# Altium PCB PCB_TEST.PcbDoc (part 1 of 6)
Units mil, origin at the board's own origin, x right, y up, seen from the top; angles counter-clockwise.
Board outline 6000 x 4000 mil, 2 copper layers (Top Layer, Bottom Layer); 1506 components, 800 nets, 4143 pads, 6 vias.
Unrouted connection lines stored in the file: 2993.
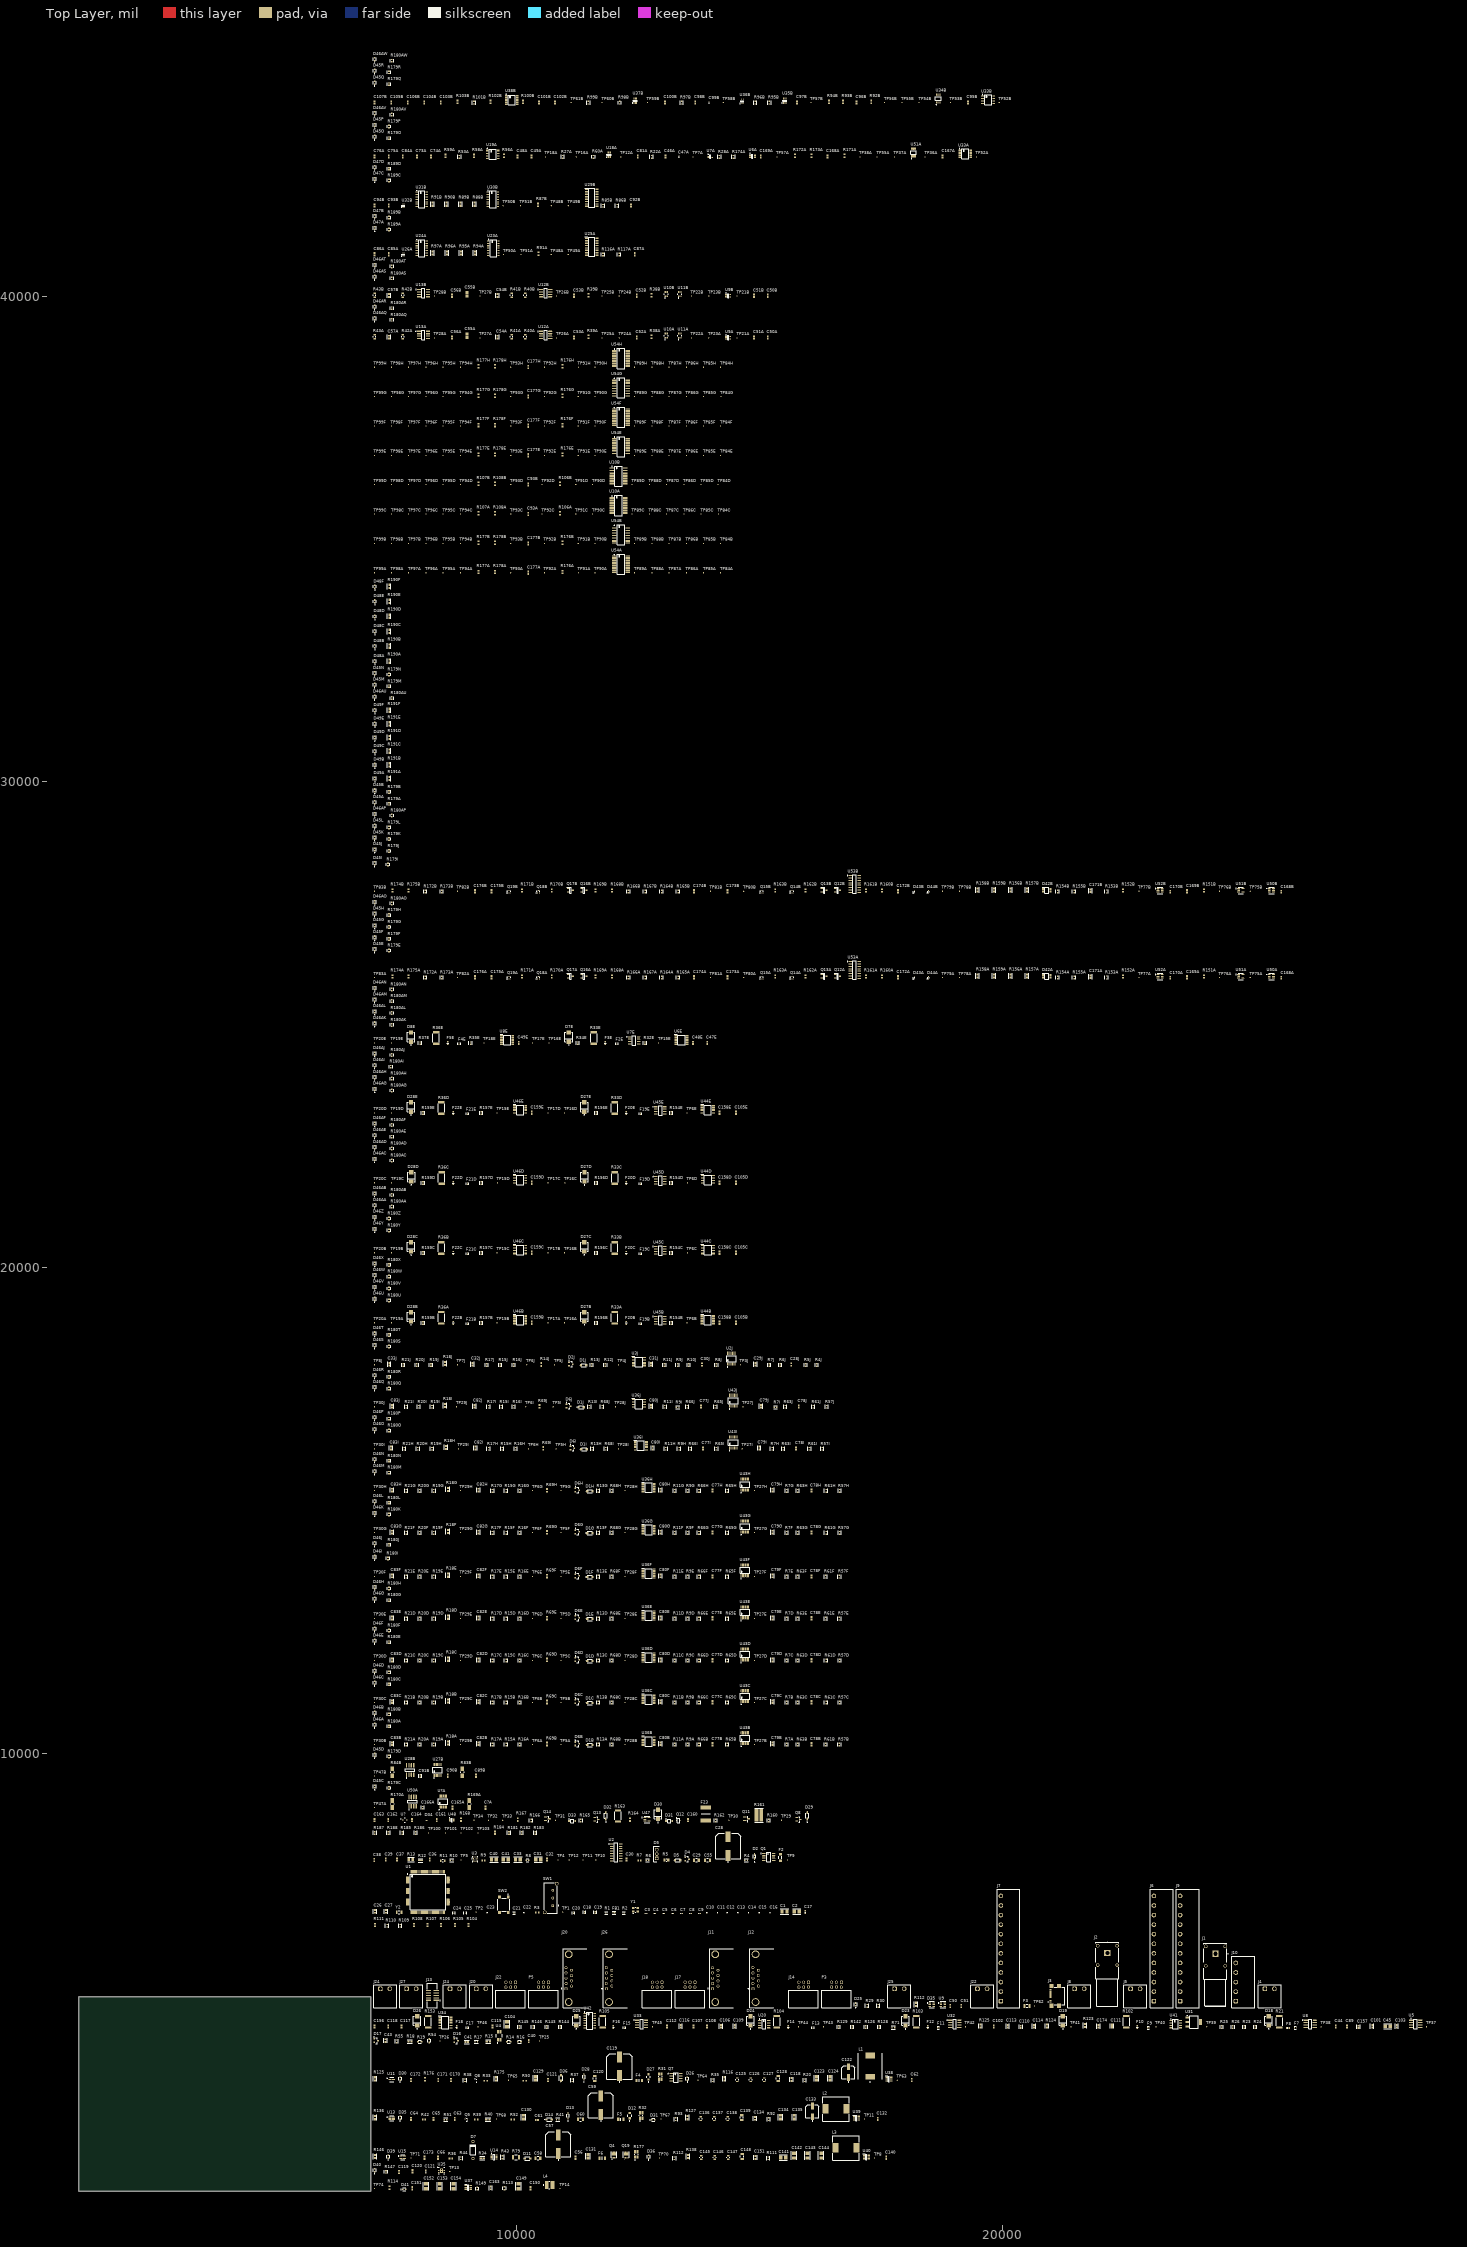
[diagram p0: Top Layer view]
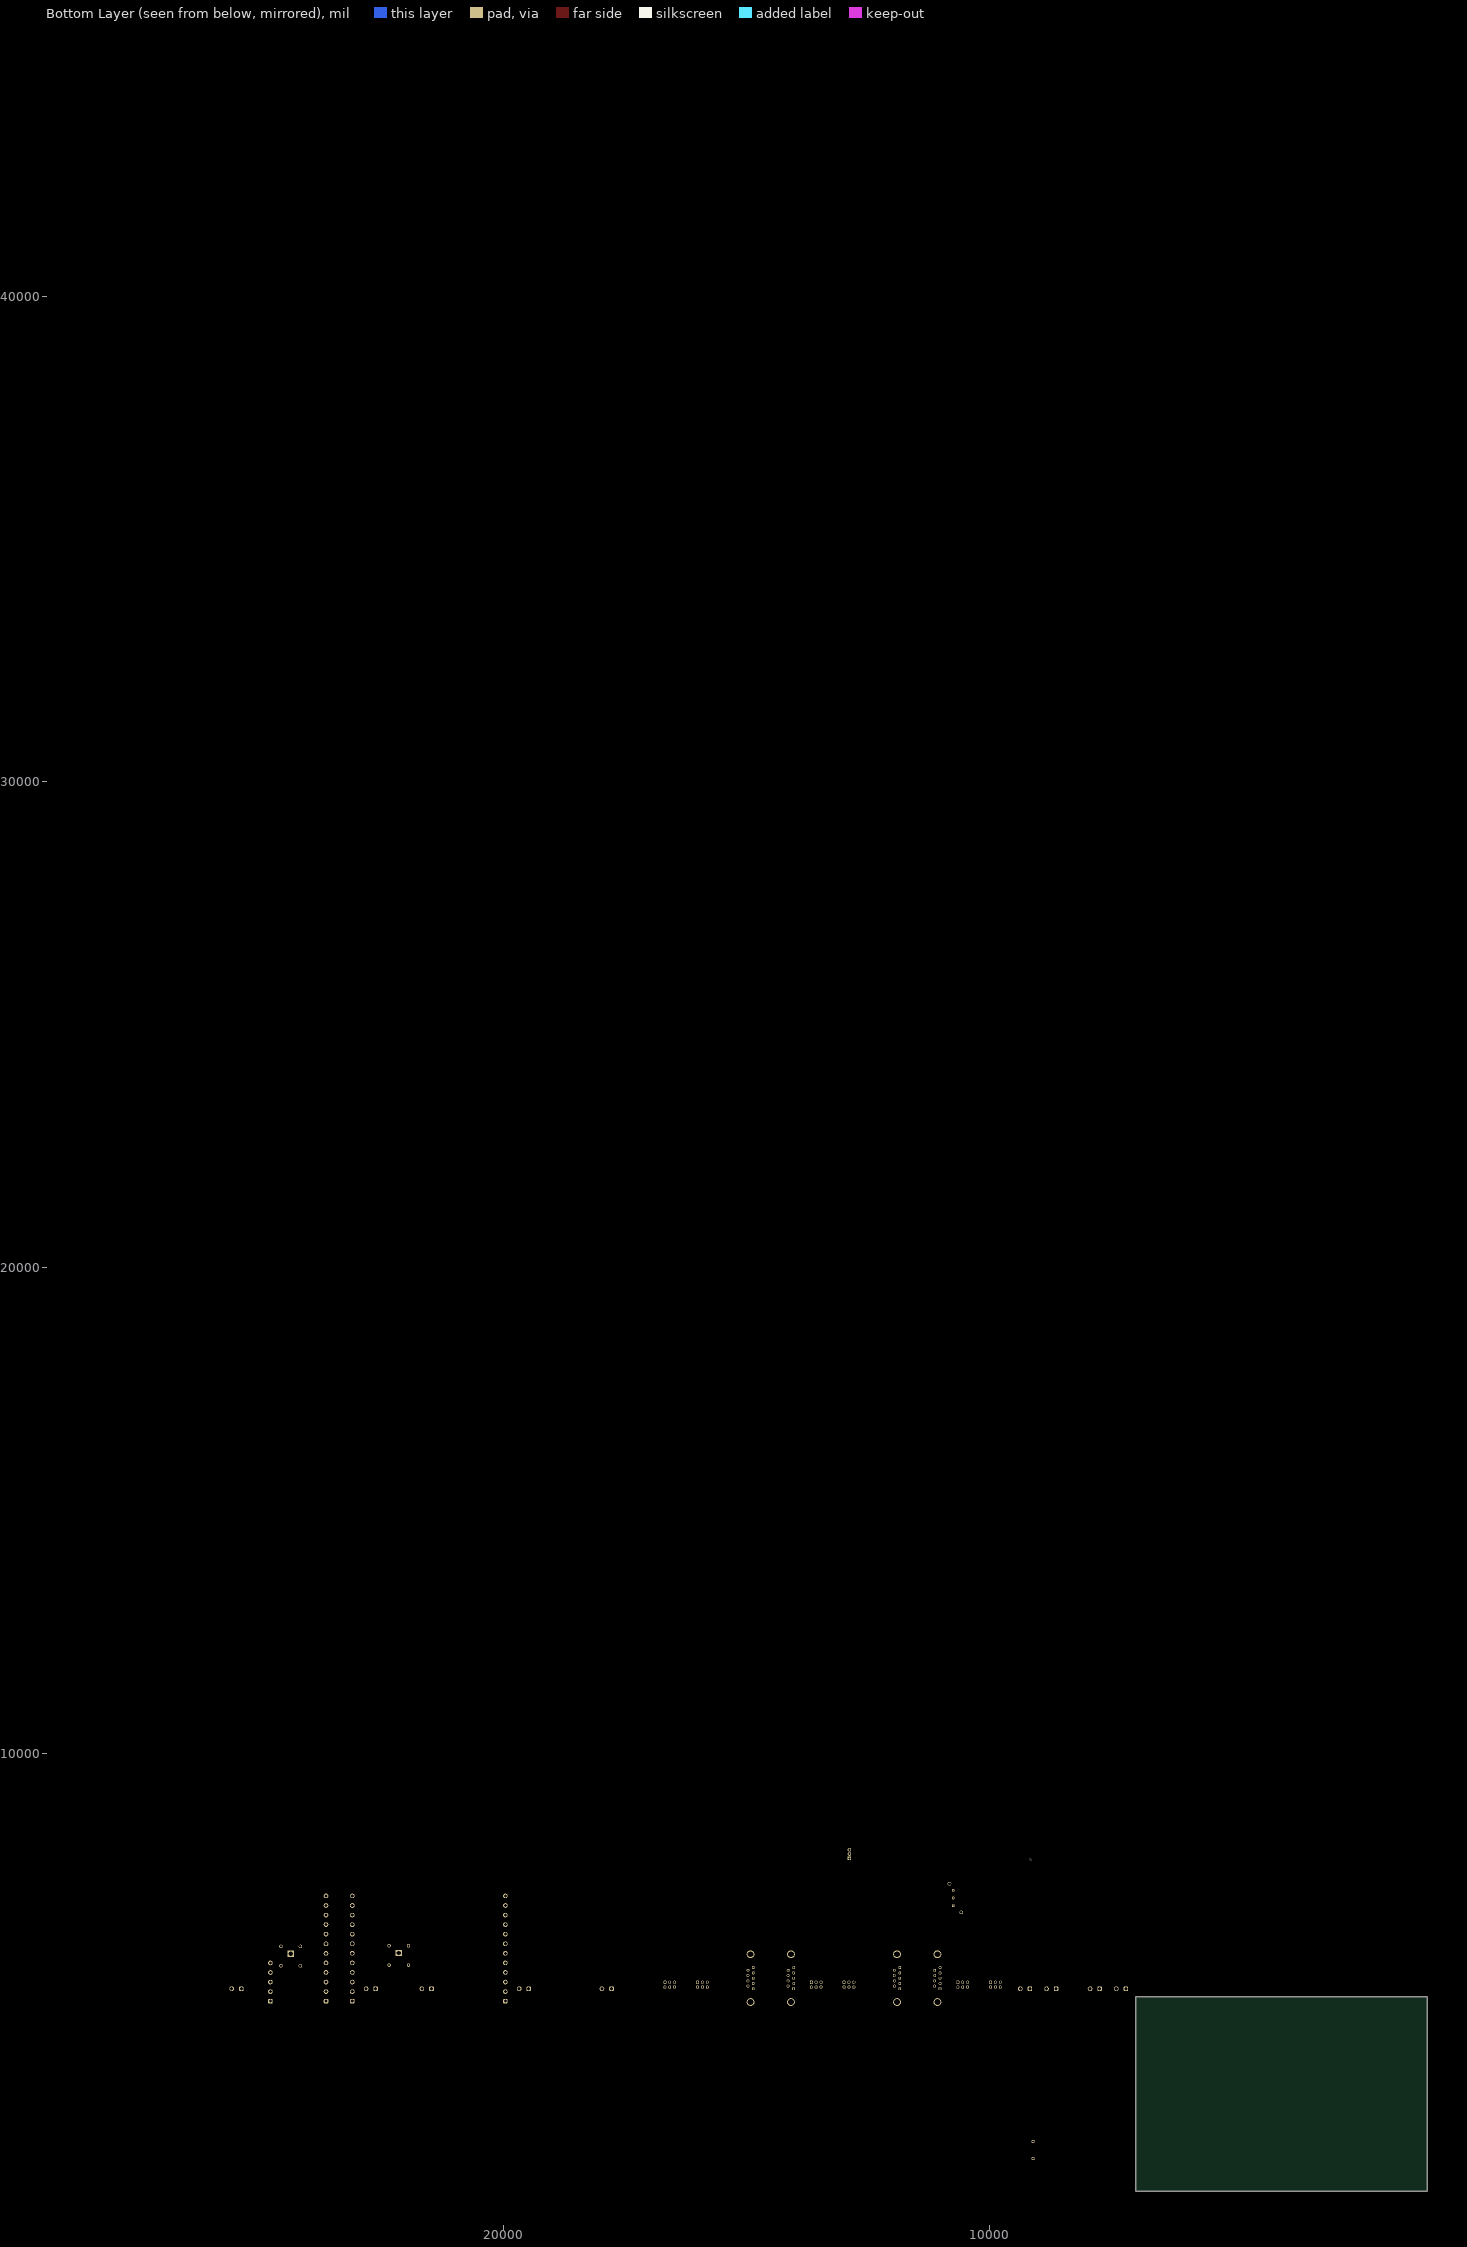
[diagram p1: Bottom Layer view, seen from below]

## Layer stack, top to bottom
Top Solder: solder mask 0.4, Solder Resist, Dk 3.5
Top Layer: signal copper 1.4
Dielectric 1: dielectric 12.6, FR-4, Dk 4.8
Bottom Layer: signal copper 1.4
Bottom Solder: solder mask 0.4, Solder Resist, Dk 3.5

## Board outline
1000,1000 7000,1000 7000,5000 1000,5000

## Design rules (kind name [scope] priority, off if disabled: settings)
Clearance [All] p1: gap=10 ignorepadtopadclearanceinfootprint=FALSE
DiffPairsRouting [All] p1: maxlimit=10 minlimit=10 mostfreqgap=10 toplayer_minwidth=15 toplayer_maxwidth=15 toplayer_prefwidth=15 bottomlayer_minwidth=15 bottomlayer_maxwidth=15 bottomlayer_prefwidth=15 maxuncoupledlength=500
PolygonConnect [All] p1: connectstyle=Relief reliefconductorwidth=10 reliefentries=4 polygonreliefangle="90 Angle" airgapwidth=10
RoutingVias [All] p1: holewidth=28 width=50 viastyle="Through Hole" minholewidth=28 minwidth=50 maxholewidth=28 maxwidth=50
SolderMaskExpansion [All] p1: expansion=4 istentingtop=FALSE
SupplyNets "Schematic Supply Nets_6" [InNet('12V_REGULATED')] p1: voltage=0.000
SupplyNets "Schematic Supply Nets_5" [InNet('AGND')] p2: voltage=0.000
SupplyNets "Schematic Supply Nets_4" [InNet('24V_REGULATED')] p3: voltage=0.000
SupplyNets "Schematic Supply Nets_3" [InNet('GND')] p4: voltage=0.000
SupplyNets "Schematic Supply Nets_2" [InNet('3V3_REGULATED')] p5: voltage=0.000
SupplyNets "Schematic Supply Nets_1" [InNet('VDD_REGULATED')] p6: voltage=0.000
SupplyNets "Schematic Supply Nets" [InNet('5V')] p7: voltage=0.000
Width [All] p1: maxlimit=10 minlimit=10 preferedwidth=10
29 further rules are at their usual default settings.

## Classes and differential pairs
channel class UART: UART_CH1 UART_CH2
channel class SPI: SPI_CH1 SPI_CH2
channel class PWM_Input: PWM_CAPTURE_CH1 PWM_CAPTURE_CH2
channel class Output_Expander_IC: Output_Expander_IC_COM_CTL_0 Output_Expander_IC_COM_CTL_1 Output_Expander_IC_DI_S0 Output_Expander_IC_DI_S1 Output_Expander_IC_DO_A0 Output_Expander_IC_DO_A1 Output_Expander_IC_PMW_POWER Output_Expander_IC_SPARE
channel class LED_RED_Direct_BRIGHT: LED_Red_0 LED_Red_1 LED_Red_2 LED_Red_3 LED_Red_4 LED_Red_5
channel class LED_Orange_Direct: LED_DO_A_VSEL_A01 LED_DO_A_VSEL_A02 LED_DO_A_VSEL_A03 LED_DO_A_VSEL_A04 LED_DO_A_VSEL_A05 LED_DO_A_VSEL_A11 LED_DO_A_VSEL_A12 LED_DO_A_VSEL_A13 LED_DO_A_VSEL_A14 LED_DO_A_VSEL_A15 LED_DO_B_VSEL_A01 LED_DO_B_VSEL_A02 LED_DO_B_VSEL_A03 LED_DO_B_VSEL_A04 LED_DO_B_VSEL_A05 LED_DO_B_VSEL_A11 LED_DO_B_VSEL_A12 LED_DO_B_VSEL_A13 LED_DO_B_VSEL_A14 LED_DO_B_VSEL_A15 LED_I2C_V_SEL1 LED_I2C_V_SEL2 LED_LV_VSEL LED_PWM_MODE_01 LED_PWM_MODE_02 LED_PWM_MODE_11 LED_PWM_MODE_12 LED_UART_MODE11 LED_UART_MODE12 LED_VSEL_S01 LED_VSEL_S02 LED_VSEL_S03 LED_VSEL_S04 LED_VSEL_S05 LED_VSEL_S06 LED_VSEL_S07 LED_VSEL_S08 LED_VSEL_S09 LED_VSEL_S010 LED_VSEL_S11 LED_VSEL_S12 LED_VSEL_S13 LED_VSEL_S14 LED_VSEL_S15 LED_VSEL_S16 LED_VSEL_S17 LED_VSEL_S18 LED_VSEL_S19 LED_VSEL_S110
channel class LED_Green_Direct_ActiveLow: LED_SPI_MASTER_EN1 LED_SPI_MASTER_EN2 LED_SPI_SLAVE_EN1 LED_SPI_SLAVE_EN2
channel class Led_Green_Direct: LED_1k_SEL1 LED_1k_SEL2 LED_2K2_SEL1 LED_2K2_SEL2 LED_4K7_SEL1 LED_4K7_SEL2 LED_10K_SEL1 LED_10K_SEL2 LED_AO_EN1 LED_AO_EN2 LED_CAN_TERM_EN1 LED_CAN_TERM_EN2 LED_PWM_GEN_12V_EN LED_PWM_GEN_24V_EN LED_RS232_EN1 LED_RS232_EN2 LED_TTL_EN1 LED_TTL_EN2
channel class LED_Blue_Direct_BRIGHT: LED_Blue_0 LED_Blue_1 LED_Blue_2 LED_Blue_3 LED_Blue_4 LED_Blue_5
channel class I2C: I2C_CH1 I2C_CH2
channel class Digital_Output: Digital_Output_CH1 Digital_Output_CH2 Digital_Output_CH3 Digital_Output_CH4 Digital_Output_CH5
channel class Digital_Input: Digital_Input_CH1 Digital_Input_CH2 Digital_Input_CH3 Digital_Input_CH4 Digital_Input_CH5 Digital_Input_CH6 Digital_Input_CH7 Digital_Input_CH8 Digital_Input_CH9 Digital_Input_CH10
channel class CAN: CAN_CH1 CAN_CH2
net class DOUT[0..9]: DOUT0 DOUT1 DOUT2 DOUT3 DOUT4 DOUT5 DOUT6 DOUT7 DOUT8 DOUT9
net class DO_B_MCU_EN_N[0..4]: DO_B_MCU_EN_N0 DO_B_MCU_EN_N1 DO_B_MCU_EN_N2 DO_B_MCU_EN_N3 DO_B_MCU_EN_N4
net class DO_B_DUT[0..4]: DO_B_DUT0 DO_B_DUT1 DO_B_DUT2 DO_B_DUT3 DO_B_DUT4
net class DO_A_MCU_EN_N[0..4]: DO_A_MCU_EN_N0 DO_A_MCU_EN_N1 DO_A_MCU_EN_N2 DO_A_MCU_EN_N3 DO_A_MCU_EN_N4
net class DO_A_DUT[0..4]: DO_A_DUT0 DO_A_DUT1 DO_A_DUT2 DO_A_DUT3 DO_A_DUT4
net class DO_A1_[0..9]: DO_A1_0 DO_A1_1 DO_A1_2 DO_A1_3 DO_A1_4 DO_A1_5 DO_A1_6 DO_A1_7 DO_A1_8 DO_A1_9
net class DO_A0_[0..9]: DO_A0_0 DO_A0_1 DO_A0_2 DO_A0_3 DO_A0_4 DO_A0_5 DO_A0_6 DO_A0_7 DO_A0_8 DO_A0_9
net class DI_S1_[0..9]: DI_S1_0 DI_S1_1 DI_S1_2 DI_S1_3 DI_S1_4 DI_S1_5 DI_S1_6 DI_S1_7 DI_S1_8 DI_S1_9
net class DI_S0_[0..9]: DI_S0_0 DI_S0_1 DI_S0_2 DI_S0_3 DI_S0_4 DI_S0_5 DI_S0_6 DI_S0_7 DI_S0_8 DI_S0_9
net class DI_MCU_OUT[0..9]: DI_MCU_OUT0 DI_MCU_OUT1 DI_MCU_OUT2 DI_MCU_OUT3 DI_MCU_OUT4 DI_MCU_OUT5 DI_MCU_OUT6 DI_MCU_OUT7 DI_MCU_OUT8 DI_MCU_OUT9
net class DI_DUT_IN[0..9]: DIN0 DIN1 DIN2 DIN3 DIN4 DIN5 DIN6 DIN7 DIN8 DIN9
net class AOUT[0..5]: AOUT0 AOUT1 AOUT2 AOUT3 AOUT4 AOUT5
component class UART_CH2: C95B C96B C97B C98B C99B C100B C101B C102B C103B C104B C105B C106B C107B R92B R93B R94B R95B R96B R97B R98B R99B R100B R101B R102B R103B TP52B TP53B TP54B TP55B TP56B TP57B TP58B TP59B TP60B TP61B U33B U34B U35B U36B U37B U38B
component class UART_CH1: C46A C47A C48A C49A C73A C74A C75A C76A C81A C84A C167A C168A C169A R22A R27A R28A R53A R56A R58A R59A R60A R171A R172A R173A R174A TP7A TP12A TP16A TP18A TP36A TP37A TP38A TP52A TP55A TP57A U6A U7A U18A U19A U33A U51A
component class SPI_CH2: C92B C93B C94B R85B R86B R87B R88B R89B R90B R91B TP48B TP49B TP50B TP51B U29B U30B U31B U32B
component class SPI_CH1: C85A C86A C87A R91A R94A R95A R96A R97A R116A R117A TP48A TP49A TP50A TP51A U23A U24A U25A U26A
component class PWM_GENERATION: C160 C161 C162 C163 C164 D29 D30 D31 D32 D33 D34 F23 Q8 Q11 Q12 Q13 Q14 R160 R161 R162 R163 R164 R165 R166 R167 R168 TP29 TP30 TP31 TP32 TP33 TP34 U47 U48 U?
component class PWM_CAPTURE_VREF: R181 R182 R183 R184 R185 R186 R187 R188 TP100 TP101 TP102 TP103
component class PWM_CAPTURE_CH2: C50B C51B C52B C53B C54B C55B C56B C57B R38B R39B R40B R41B R42B R43B TP21B TP22B TP23B TP24B TP25B TP26B TP27B TP28B U9B U10B U11B U12B U13B
component class PWM_CAPTURE_CH1: C50A C51A C52A C53A C54A C55A C56A C57A R38A R39A R40A R41A R42A R43A TP21A TP22A TP23A TP24A TP25A TP26A TP27A TP28A U9A U10A U11A U12A U13A
component class Power: C28 C29 C30 C31 C32 C33 C36 C37 C38 C39 C40 C41 C55 D2 D4 D5 F2 Q1 R4 R5 R6 R7 R8 R9 R10 R11 R12 R13 TP4 TP5 TP9 TP10 TP11 TP12 U2 U3
component class Output_Expander_IC_SPARE: C177H R176H R177H R178H TP84H TP85H TP86H TP87H TP88H TP89H TP90H TP91H TP92H TP93H TP94H TP95H TP96H TP97H TP98H TP99H U54H
component class Output_Expander_IC_PMW_POWER: C177G R176G R177G R178G TP84G TP85G TP86G TP87G TP88G TP89G TP90G TP91G TP92G TP93G TP94G TP95G TP96G TP97G TP98G TP99G U54G
component class Output_Expander_IC_DO_A1: C177F R176F R177F R178F TP84F TP85F TP86F TP87F TP88F TP89F TP90F TP91F TP92F TP93F TP94F TP95F TP96F TP97F TP98F TP99F U54F
component class Output_Expander_IC_DO_A0: C177E R176E R177E R178E TP84E TP85E TP86E TP87E TP88E TP89E TP90E TP91E TP92E TP93E TP94E TP95E TP96E TP97E TP98E TP99E U54E
component class Output_Expander_IC_DI_S1: C93B R106B R107B R108B TP84D TP85D TP86D TP87D TP88D TP89D TP90D TP91D TP92D TP93D TP94D TP95D TP96D TP97D TP98D TP99D U10B
component class Output_Expander_IC_DI_S0: C93A R106A R107A R108A TP84C TP85C TP86C TP87C TP88C TP89C TP90C TP91C TP92C TP93C TP94C TP95C TP96C TP97C TP98C TP99C U10A
component class Output_Expander_IC_COM_CTL_1: C177B R176B R177B R178B TP84B TP85B TP86B TP87B TP88B TP89B TP90B TP91B TP92B TP93B TP94B TP95B TP96B TP97B TP98B TP99B U54B
component class Output_Expander_IC_COM_CTL_0: C177A R176A R177A R178A TP84A TP85A TP86A TP87A TP88A TP89A TP90A TP91A TP92A TP93A TP94A TP95A TP96A TP97A TP98A TP99A U54A
component class MCU: C1 C2 C3 C4 C5 C6 C7 C8 C9 C10 C11 C12 C13 C14 C15 C16 C17 C18 C19 C20 C21 C22 C23 C24 C25 C26 C27 FB1 R1 R2 R3 SW1 SW2 TP1 TP2 U1 Y1 Y2
component class LED_VSEL_S110: D46T R180T
component class LED_VSEL_S19: D46R R180R
component class LED_VSEL_S18: D46P R180P
component class LED_VSEL_S17: D46N R180N
component class LED_VSEL_S16: D46L R180L
component class LED_VSEL_S15: D46J R180J
component class LED_VSEL_S14: D46H R180H
component class LED_VSEL_S13: D46F R180F
component class LED_VSEL_S12: D46D R180D
component class LED_VSEL_S11: D46B R180B
component class LED_VSEL_S010: D46S R180S
component class LED_VSEL_S09: D46Q R180Q
component class LED_VSEL_S08: D46O R180O
component class LED_VSEL_S07: D46M R180M
component class LED_VSEL_S06: D46K R180K
component class LED_VSEL_S05: D46I R180I
component class LED_VSEL_S04: D46G R180G
component class LED_VSEL_S03: D46E R180E
component class LED_VSEL_S02: D46C R180C
component class LED_VSEL_S01: D46A R180A
component class LED_UART_MODE12: D46AW R180AW
component class LED_UART_MODE11: D46AV R180AV
component class LED_TTL_EN2: D45R R179R
component class LED_TTL_EN1: D45P R179P
component class LED_SPI_SLAVE_EN2: D47D R189D
component class LED_SPI_SLAVE_EN1: D47B R189B
component class LED_SPI_MASTER_EN2: D47C R189C
component class LED_SPI_MASTER_EN1: D47A R189A
component class LED_RS232_EN2: D45Q R179Q
component class LED_RS232_EN1: D45O R179O
component class LED_Red_5: D48F R190F
component class LED_Red_4: D48E R190E
component class LED_Red_3: D48D R190D
component class LED_Red_2: D48C R190C
component class LED_Red_1: D48B R190B
component class LED_Red_0: D48A R190A
component class LED_PWM_MODE_12: D46AT R180AT
component class LED_PWM_MODE_11: D46AR R180AR
component class LED_PWM_MODE_02: D46AS R180AS
component class LED_PWM_MODE_01: D46AQ R180AQ
component class LED_PWM_GEN_24V_EN: D45N R179N
component class LED_PWM_GEN_12V_EN: D45M R179M
component class LED_LV_VSEL: D46AU R180AU
component class LED_I2C_V_SEL2: D46AP R180AP
component class LED_I2C_V_SEL1: D46AO R180AO
component class LED_DO_B_VSEL_A15: D46AN R180AN
component class LED_DO_B_VSEL_A14: D46AJ R180AJ
component class LED_DO_B_VSEL_A13: D46AF R180AF
component class LED_DO_B_VSEL_A12: D46AB R180AB
component class LED_DO_B_VSEL_A11: D46X R180X
component class LED_DO_B_VSEL_A05: D46AM R180AM
component class LED_DO_B_VSEL_A04: D46AI R180AI
component class LED_DO_B_VSEL_A03: D46AE R180AE
component class LED_DO_B_VSEL_A02: D46AA R180AA
component class LED_DO_B_VSEL_A01: D46W R180W
component class LED_DO_A_VSEL_A15: D46AL R180AL
component class LED_DO_A_VSEL_A14: D46AH R180AH
component class LED_DO_A_VSEL_A13: D46AD R180AD
component class LED_DO_A_VSEL_A12: D46Z R180Z
component class LED_DO_A_VSEL_A11: D46V R180V
component class LED_DO_A_VSEL_A05: D46AK R180AK
component class LED_DO_A_VSEL_A04: D46AG R180AG
component class LED_DO_A_VSEL_A03: D46AC R180AC
component class LED_DO_A_VSEL_A02: D46Y R180Y
component class LED_DO_A_VSEL_A01: D46U R180U
component class LED_CAN_TERM_EN2: D45D R179D
component class LED_CAN_TERM_EN1: D45C R179C
component class LED_Blue_5: D49F R191F
component class LED_Blue_4: D49E R191E
component class LED_Blue_3: D49D R191D
component class LED_Blue_2: D49C R191C
component class LED_Blue_1: D49B R191B
component class LED_Blue_0: D49A R191A
component class LED_AO_EN2: D45B R179B
component class LED_AO_EN1: D45A R179A
component class LED_10K_SEL2: D45L R179L
component class LED_10K_SEL1: D45H R179H
component class LED_4K7_SEL2: D45K R179K
component class LED_4K7_SEL1: D45G R179G
component class LED_2K2_SEL2: D45J R179J
component class LED_2K2_SEL1: D45F R179F
component class LED_1k_SEL2: D45I R179I
component class LED_1k_SEL1: D45E R179E
component class I2C_CH2: C168B C169B C170B C171B C172B C173B C174B C175B C176B D42B D43B D44B Q12B Q13B Q14B Q15B Q16B Q17B Q18B Q19B R151B R152B R153B R154B R155B R156B R157B R158B R159B R160B R161B R162B R163B R164B R165B R166B R167B R168B R169B R170B R171B R172B R173B R174B R175B TP75B TP76B TP77B TP78B TP79B TP80B TP81B TP82B TP83B U50B U51B U52B U53B
component class I2C_CH1: C168A C169A C170A C171A C172A C173A C174A C175A C176A D42A D43A D44A Q12A Q13A Q14A Q15A Q16A Q17A Q18A Q19A R151A R152A R153A R154A R155A R156A R157A R158A R159A R160A R161A R162A R163A R164A R165A R166A R167A R168A R169A R170A R171A R172A R173A R174A R175A TP75A TP76A TP77A TP78A TP79A TP80A TP81A TP82A TP83A U50A U51A U52A U53A
component class "External Flash": R104 R105 R106 R107 R108 R109 R110 R111 U39
component class Digital_Output_CH5: C47E C48E C49E D7E D8E F2E F3E F4E F5E R32E R33E R34E R35E R36E R37E TP15E TP16E TP17E TP18E TP19E TP20E U6E U7E U8E
component class Digital_Output_CH4: C105E C158E C159E D27E D28E F19E F20E F21E F22E R33D R36D R154E R156E R157E R159E TP6E TP15E TP16D TP17D TP19D TP20D U44E U45E U46E
component class Digital_Output_CH3: C105D C158D C159D D27D D28D F19D F20D F21D F22D R33C R36C R154D R156D R157D R159D TP6D TP15D TP16C TP17C TP19C TP20C U44D U45D U46D
component class Digital_Output_CH2: C105C C158C C159C D27C D28C F19C F20C F21C F22C R33B R36B R154C R156C R157C R159C TP6C TP15C TP16B TP17B TP19B TP20B U44C U45C U46C
component class Digital_Output_CH1: C105B C158B C159B D27B D28B F19B F20B F21B F22B R33A R36A R154B R156B R157B R159B TP6B TP15B TP16A TP17A TP19A TP20A U44B U45B U46B
component class Digital_Input_CH10: C28J C29J C30J C31J C32J C33J D1J D2J R4J R5J R6J R7J R8J R9J R10J R11J R12J R13J R14J R15J R16J R17J R18J R19J R20J R21J TP3J TP4J TP5J TP6J TP7J TP8J U2J U3J
component class Digital_Input_CH9: C77J C78J C79J C80J C82J C83J D1J D6J R7I R9I R11I R13I R15I R16I R17I R18I R19I R20I R21I R57J R61J R63J R65J R66J R68J R69J TP5I TP6I TP27J TP28J TP29J TP30J U36J U43J
component class Digital_Input_CH8: C77I C78I C79I C80I C82I C83I D1I D6I R7H R9H R11H R13H R15H R16H R17H R18H R19H R20H R21H R57I R61I R63I R65I R66I R68I R69I TP5H TP6H TP27I TP28I TP29I TP30I U36I U43I
component class Digital_Input_CH7: C77H C78H C79H C80H C82H C83H D1H D6H R7G R9G R11G R13G R15G R16G R17G R18G R19G R20G R21G R57H R61H R63H R65H R66H R68H R69H TP5G TP6G TP27H TP28H TP29H TP30H U36H U43H
component class Digital_Input_CH6: C77G C78G C79G C80G C82G C83G D1G D6G R7F R9F R11F R13F R15F R16F R17F R18F R19F R20F R21F R57G R61G R63G R65G R66G R68G R69G TP5F TP6F TP27G TP28G TP29G TP30G U36G U43G
component class Digital_Input_CH5: C77F C78F C79F C80F C82F C83F D1F D6F R7E R9E R11E R13E R15E R16E R17E R18E R19E R20E R21E R57F R61F R63F R65F R66F R68F R69F TP5E TP6E TP27F TP28F TP29F TP30F U36F U43F
component class Digital_Input_CH4: C77E C78E C79E C80E C82E C83E D1E D6E R7D R9D R11D R13D R15D R16D R17D R18D R19D R20D R21D R57E R61E R63E R65E R66E R68E R69E TP5D TP6D TP27E TP28E TP29E TP30E U36E U43E
component class Digital_Input_CH3: C77D C78D C79D C80D C82D C83D D1D D6D R7C R9C R11C R13C R15C R16C R17C R18C R19C R20C R21C R57D R61D R63D R65D R66D R68D R69D TP5C TP6C TP27D TP28D TP29D TP30D U36D U43D
component class Digital_Input_CH2: C77C C78C C79C C80C C82C C83C D1C D6C R7B R9B R11B R13B R15B R16B R17B R18B R19B R20B R21B R57C R61C R63C R65C R66C R68C R69C TP5B TP6B TP27C TP28C TP29C TP30C U36C U43C
component class Digital_Input_CH1: C77B C78B C79B C80B C82B C83B D1B D6B R7A R9A R11A R13A R15A R16A R17A R18A R19A R20A R21A R57B R61B R63B R65B R66B R68B R69B TP5A TP6A TP27B TP28B TP29B TP30B U36B U43B
component class Connectors: C50 C51 D23 D25 D35 F3 J1 J2 J3 J4 J5 J6 J7 J8 J9 J10 J11 J12 J13 J14 J17 J18 J20 J22 J24 J25 J26 J27 P3 P5 R29 R30 R112 TP62 U9
component class CAN_CH2: C89B C90B C91B R83B R84B TP47B U27B U28B
component class CAN_CH1: C165A C166A C?A R169A R170A TP47A U50A U?A
component class "Analogue Output": C44 C45 C89 C101 C102 C103 C104 C106 C107 C108 C109 C110 C111 C112 C113 C114 C115 C116 C117 C118 C156 C157 C174 D18 D19 D23 D24 D25 D26 F7 F8 F9 F10 F11 F12 F13 F14 F15 F16 F17 F18 R21 R23 R24 R25 R26 R71 R102 R103 R104 R105 R123 R124 R125 R126 R128 R129 R142 R143 R144 R145 R146 R153 TP37 TP38 TP39 TP40 TP41 TP42 TP43 TP44 TP45 TP46 U5 U8 U20 U31 U32 U33 U34 U41 U42
component class "Analogue Input": C40 C41 C43 D16 D17 R14 R15 R16 R17 R18 R19 R54 R55 TP25 TP26 U4
component class 24V: C62 C118 C119 C120 C121 C122 C123 C124 C125 C126 C127 C128 C129 C170 C171 C172 D26 D27 D28 D30 D36 F4 L1 Q7 Q8 R20 R31 R33 R35 R37 R38 R50 R116 R125 R175 R176 TP63 TP64 TP65 U11 U38
component class 12V: C59 C60 C61 C63 C64 C65 C130 C132 C133 C134 C135 C136 C137 C138 C139 D12 D13 D14 D31 D35 F5 L2 Q5 R32 R39 R40 R41 R42 R51 R52 R92 R93 R127 R136 TP11 TP67 TP68 U13 U39
component class 5V: C56 C57 C58 C66 C131 C140 C141 C142 C143 C144 C145 C146 C147 C148 C151 C173 D7 D11 D36 D39 F6 L3 Q4 Q19 R34 R36 R43 R44 R79 R111 R112 R138 R146 R177 TP8 TP70 TP71 U14 U15 U40
component class 3V3_Smooth: C119 C120 C121 D40 R147 TP13 U35
component class 3V3_High_Current: C149 C150 C151 C152 C153 C154 C163 D41 L4 R113 R114 R149 TP14 TP74 U37
differential pair USB_D: +USB_D_P -USB_D_N
differential pair CON_D: +CON_D_P -CON_D_N
differential pair CAN_OUTB: +CAN_OUTB_H -CAN_OUTB_L
differential pair CAN_OUTA: +CAN_OUTA_H -CAN_OUTA_L
